# KiCad board everestCM4.kicad_pcb (continued)
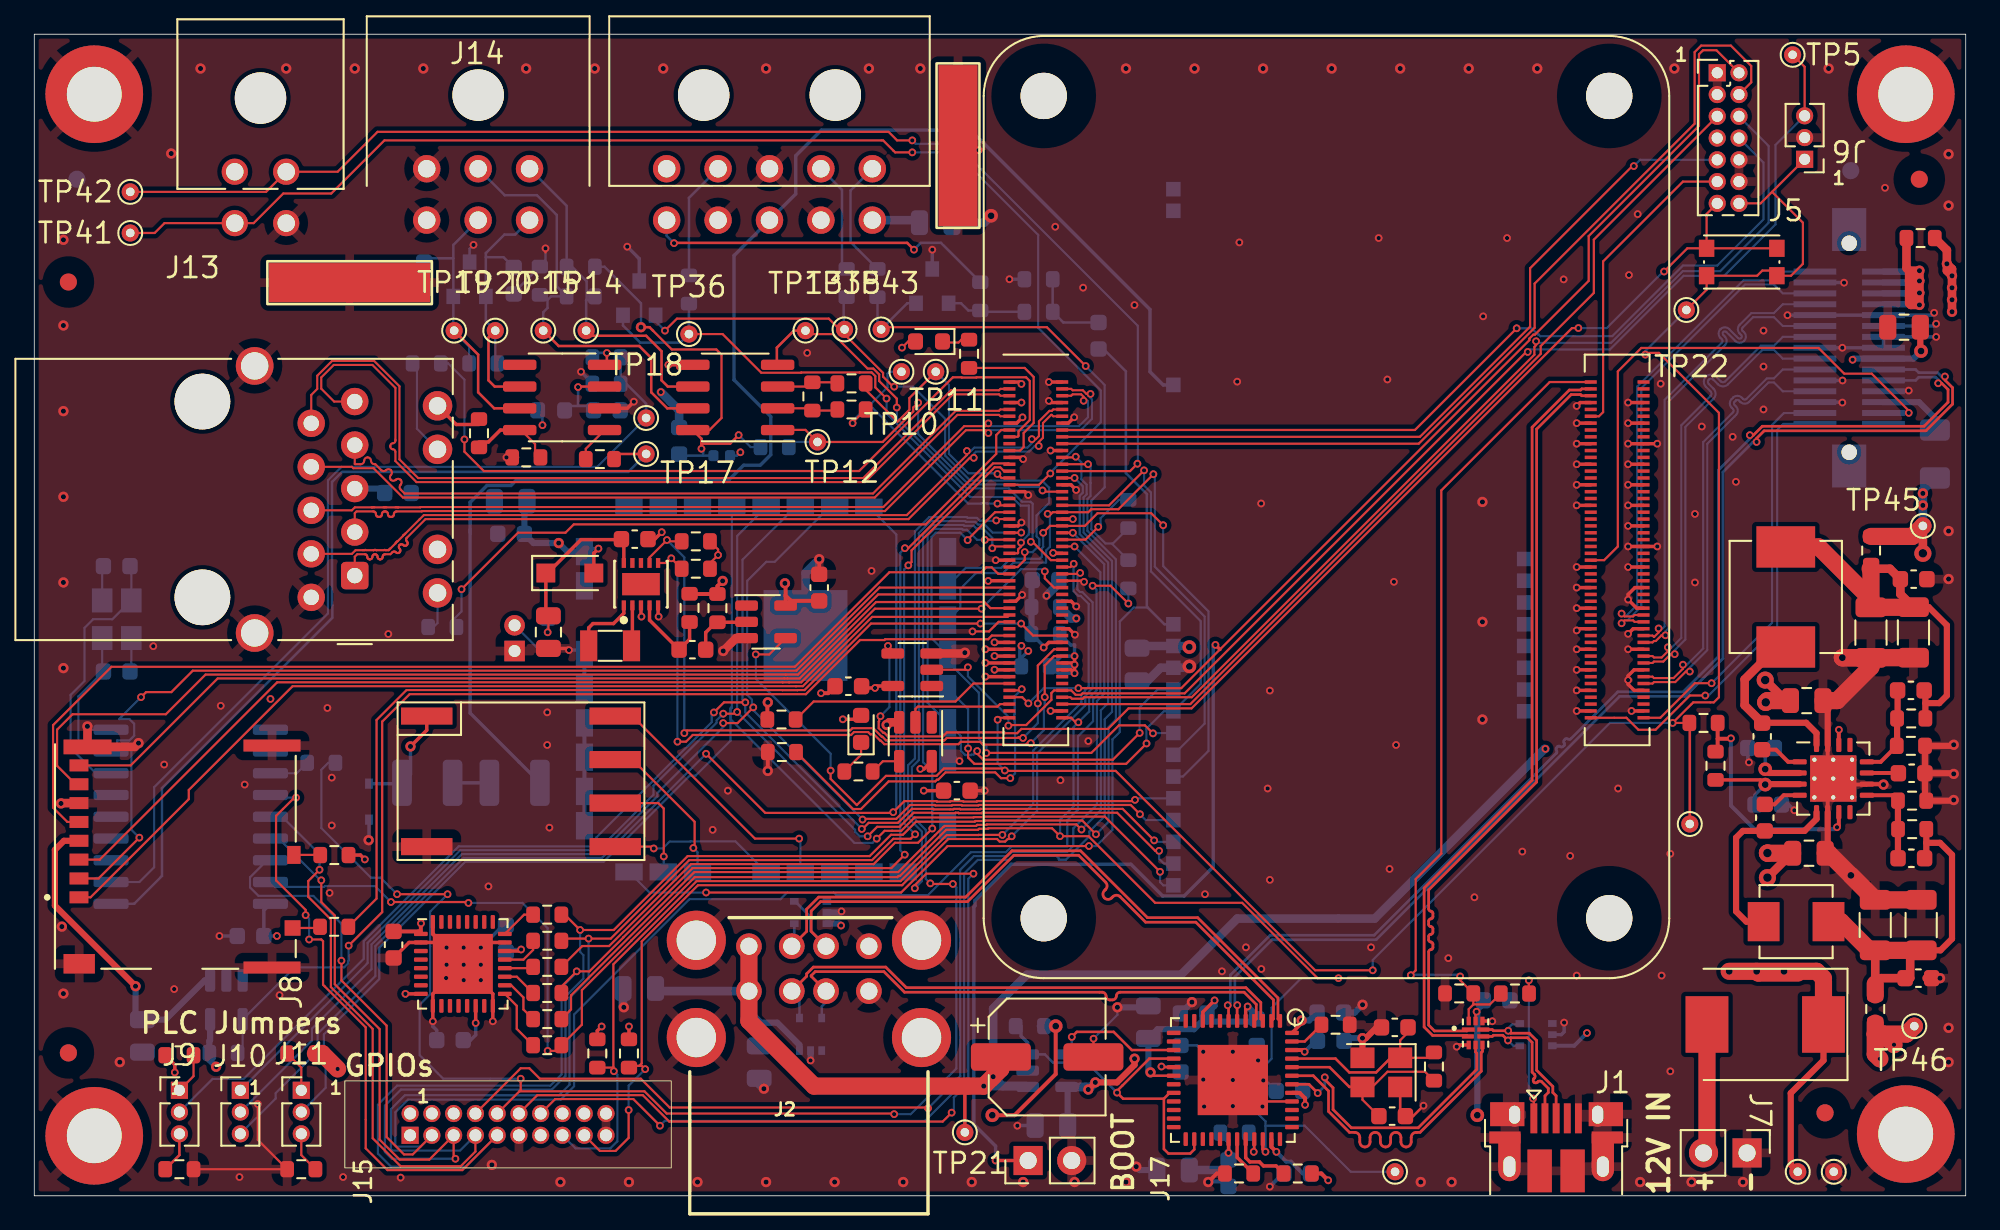
[diagram p0: board, top side]
## Routing (per net, layer and track width the routed paths; a pad name or vN(x,y) marks a point on that pad's centre or on a via; arc(x,y) is an arc through that point) (continued)
  Bottom w0.122: v1(54.82,43.08) 54.82,43.31 54.95,43.44 58.05,43.44 58.38,43.77 v1(58.61,43.77)
/CM4_GPIO ( Ethernet, GPIO, SDCARD)/TRD1_N: length 50.5
  Top w0.122: U6.6 18.53,40.01 18.71,40.18 19.68,40.18 19.76,40.18 19.81,40.2 19.85,40.18 20.37,40.18 20.42,40.2 20.46,40.18 20.46,40.18 20.51,40.2 20.55,40.18 21.07,40.18 21.12,40.2 21.16,40.18 21.17,40.18 21.24,40.18 21.24,40.18 22.52,40.18 22.53,40.2 49.54,40.2 54.26,44.92 55.51,44.92 v1(55.67,45.09) ; v1(61.23,46.41) 61.23,46.64 61.09,46.78 60.59,46.78 60.51,46.7 Module2.6
  Bottom w0.122: v1(61.23,46.41) 61.46,46.41 61.48,46.39 61.48,45.45 60.96,44.92 55.83,44.92 v1(55.67,45.09)
/CM4_GPIO ( Ethernet, GPIO, SDCARD)/TRD1_P: length 50.5
  Top w0.122: Module2.4 60.51,47.1 60.59,47.02 61.18,47.02 61.4,46.8 v1(61.63,46.8) ; U6.7 18.7,39.84 18.8,39.95 19.78,39.95 19.81,39.95 19.87,39.92 19.91,39.88 19.94,39.82 19.94,39.75 19.96,39.7 20.01,39.65 20.07,39.63 20.1,39.63 20.13,39.63 20.16,39.63 20.22,39.65 20.26,39.7 20.29,39.75 20.29,39.82 20.31,39.88 20.36,39.92 20.42,39.95 20.45,39.95 20.48,39.95 20.51,39.95 20.57,39.92 20.61,39.88 20.64,39.82 20.64,39.75 20.66,39.7 20.71,39.65 20.77,39.63 20.8,39.63 20.83,39.63 20.86,39.63 20.92,39.65 20.96,39.7 20.99,39.75 20.99,39.82 21.01,39.88 21.06,39.92 21.12,39.95 21.15,39.95 22.61,39.95 22.63,39.97 49.64,39.97 54.36,44.69 55.51,44.69 v1(55.67,44.52)
  Bottom w0.122: v1(55.67,44.52) 55.83,44.69 61.05,44.69 61.72,45.35 61.72,46.48 61.63,46.57 v1(61.63,46.8)
/CM4_GPIO ( Ethernet, GPIO, SDCARD)/TRD2_N: length 43.4
  Top w0.122: Module2.9 56.37,45.9 56.29,45.82 53.77,45.82 48.94,40.99 21.61,40.99 21.38,41.23 arc(21.32,41.37) 21.38,41.51 arc(21.43,41.65) 21.38,41.79 arc(21.23,41.85) 21.09,41.79 arc(20.95,41.73) 20.81,41.79 arc(20.75,41.93) 20.81,42.07 arc(20.87,42.22) 20.81,42.36 arc(20.67,42.42) 20.53,42.36 arc(20.39,42.3) 20.24,42.36 19.9,42.7 19.85,42.7 arc(19.71,42.76) 19.65,42.9 arc(19.59,43.04) 19.45,43.1 arc(19.31,43.04) 19.25,42.9 arc(19.19,42.76) 19.05,42.7 18.71,42.7 18.7,42.72 U6.3
/CM4_GPIO ( Ethernet, GPIO, SDCARD)/TRD2_P: length 43.5
  Top w0.122: Module2.11 56.37,45.5 56.29,45.58 53.86,45.58 49.04,40.76 21.51,40.76 19.8,42.47 18.62,42.47 18.53,42.55 U6.4
/CM4_GPIO ( Ethernet, GPIO, SDCARD)/TRD3_N: length 51.2
  Top w0.122: Module2.5 56.37,46.7 56.29,46.78 53.59,46.78 48.47,41.66 22.3,41.66 21.07,42.89 21.07,43.43 arc(21.03,43.53) 20.92,43.58 arc(20.82,43.62) 20.78,43.72 20.78,43.78 arc(20.82,43.88) 20.92,43.93 arc(21.03,43.97) 21.07,44.07 21.07,47.16 19.73,48.5 17.48,48.5 16.75,47.77 16.75,47.11 17.5,46.36 U6.1
/CM4_GPIO ( Ethernet, GPIO, SDCARD)/TRD3_P: length 51.2
  Top w0.122: Module2.3 56.37,47.1 56.29,47.02 53.5,47.02 48.37,41.89 22.4,41.89 21.31,42.98 21.31,47.25 19.83,48.73 17.38,48.73 16.51,47.86 16.51,47.09 16.16,46.74 U6.2
/CM4_GPIO ( Ethernet, GPIO, SDCARD)/TV_OUT: length 18.2
  Top w0.127: J5.11 96.2,59.2 91.54,54.54 91.54,45.74 91.3,45.5 Module2.111
/CM4_GPIO ( Ethernet, GPIO, SDCARD)/WL_nDis: length 13.3
  Top w0.127: Module2.89 54.8,29.9 53.75,28.85 45.48,28.85 44.42,27.8
/CM4_HighSpeed/HDMI0_CK_N: length 25.5
  Top w0.122: v1(96.6,30.6) 96.37,30.6 95.75,29.98 94.51,29.98 94.43,29.9 Module2.190
  Bottom w0.122: J4.23 102.02,46.96 101.51,47.48 101.2,47.48 100.06,46.34 arc(99.81,46.23) 99.55,46.34 99.47,46.42 arc(99.38,46.46) 99.29,46.42 99.21,46.34 arc(99.17,46.25) 99.21,46.17 99.29,46.08 arc(99.4,45.83) 99.29,45.57 97.62,43.9 97.62,31.85 96.6,30.83 v1(96.6,30.6)
/CM4_HighSpeed/HDMI0_CK_P: length 25.5
  Top w0.122: Module2.188 94.43,30.3 94.51,30.22 95.65,30.22 96.2,30.77 v1(96.2,31)
  Bottom w0.122: J4.19 102.02,48.23 101.51,47.71 101.1,47.71 99.89,46.51 arc(99.81,46.47) 99.72,46.51 99.63,46.59 arc(99.38,46.7) 99.12,46.59 99.04,46.51 arc(98.94,46.25) 99.04,46 99.13,45.91 arc(99.16,45.83) 99.13,45.74 97.38,43.99 97.38,31.95 96.43,31 v1(96.2,31)
/CM4_HighSpeed/HDMI0_D0_N: length 26.7
  Top w0.122: v1(95.72,31.62) 95.49,31.62 95.05,31.18 94.51,31.18 94.43,31.1 Module2.184
  Bottom w0.122: v1(95.72,31.62) 95.72,31.85 96.34,32.47 96.34,44.88 97.98,46.52 arc(98.1,46.82) 97.98,47.11 97.71,47.39 arc(97.65,47.52) 97.71,47.64 arc(97.84,47.7) 97.96,47.64 98.24,47.37 arc(98.54,47.25) 98.83,47.37 100.84,49.38 101.51,49.38 102.02,48.86 103.9,48.86
/CM4_HighSpeed/HDMI0_D0_P: length 26.7
  Top w0.122: v1(95.32,32.01) 95.32,31.78 94.96,31.42 94.51,31.42 94.43,31.5 Module2.182
  Bottom w0.122: J4.13 102.02,50.13 101.51,49.62 100.75,49.62 98.66,47.54 arc(98.54,47.48) 98.41,47.54 98.13,47.81 arc(97.84,47.93) 97.54,47.81 arc(97.42,47.52) 97.54,47.22 97.82,46.94 arc(97.87,46.82) 97.82,46.69 96.1,44.97 96.1,32.56 95.55,32.01 v1(95.32,32.01)
/CM4_HighSpeed/HDMI0_D1_N: length 27.8
  Top w0.122: v1(95.18,32.72) 94.95,32.72 94.61,32.38 94.51,32.38 94.43,32.3 Module2.178
  Bottom w0.122: v1(95.18,32.72) 95.18,32.95 95.37,33.14 95.37,46.37 98.05,49.05 98.64,49.64 arc(98.75,49.9) 98.64,50.15 98.55,50.24 arc(98.52,50.33) 98.55,50.42 arc(98.64,50.46) 98.73,50.42 99.26,49.9 arc(99.51,49.79) 99.77,49.9 arc(99.87,50.15) 99.77,50.41 99.68,50.5 arc(99.64,50.59) 99.68,50.67 100.29,51.29 101.51,51.29 102.02,50.77 J4.11
/CM4_HighSpeed/HDMI0_D1_P: length 27.8
  Top w0.122: v1(94.78,33.11) 94.78,32.88 94.52,32.62 94.51,32.62 94.43,32.7 Module2.176
  Bottom w0.122: J4.7 102.02,52.04 101.51,51.52 100.19,51.52 99.51,50.84 arc(99.4,50.59) 99.51,50.33 99.6,50.24 arc(99.64,50.15) 99.6,50.06 arc(99.51,50.03) 99.42,50.06 98.9,50.59 arc(98.64,50.69) 98.39,50.59 arc(98.28,50.33) 98.39,50.08 98.48,49.99 arc(98.51,49.9) 98.48,49.81 95.13,46.46 95.13,33.23 95.01,33.11 v1(94.78,33.11)
/CM4_HighSpeed/HDMI0_D2_N: length 28.5
  Top w0.122: Module2.172 93.37,33.5 93.29,33.58 92.78,33.58 v1(92.62,33.42)
  Bottom w0.122: J4.5 102.02,52.67 101.51,53.19 99.82,53.19 93.77,47.14 93.77,34.4 92.95,33.58 92.78,33.58 v1(92.62,33.42)
/CM4_HighSpeed/HDMI0_D2_P: length 28.5
  Top w0.122: Module2.170 93.37,33.9 93.29,33.82 92.78,33.82 v1(92.62,33.98)
  Bottom w0.122: v1(92.62,33.98) 92.78,33.82 92.86,33.82 93.53,34.49 93.53,47.23 99.73,53.43 101.51,53.43 102.02,53.95 J4.1
/CM4_HighSpeed/HDMI0_HOTPLUG: length 32.8
  Top w0.127: Module2.153 91.6,37.1 92.4,37.9 92.4,48.12 93.77,49.49 104.11,49.49 105.61,47.99 107.21,47.99 109.38,45.82 v1(109.38,45.7)
  Bottom w0.127: J4.28 109.37,45.69 v1(109.38,45.7)
/CM4_HighSpeed/HDMI0_SCL: length 24.1
  Top w0.127: v1(97.87,29.92) 96.9,29.92 94.88,27.9 Module2.200
  Bottom w0.127: J4.27 102.09,45.69 101.4,45 101.4,33.45 v1(97.87,29.92)
/CM4_HighSpeed/HDMI0_SDA: length 27.5
  Top w0.127: v1(97.5,29.2) 96.6,29.2 94.6,27.2 93.6,27.2 92.9,27.9 Module2.199
  Bottom w0.127: v1(97.5,29.2) 97.7,29.2 101.7,33.2 101.7,44.7 102.05,45.05 J4.29
/CM4_HighSpeed/HDMI_5v: length 4.1
  Bottom w0.36: J4.26 109.98,46.33 110.9,45.4 F2.1
/CM4_HighSpeed/USB2_N: length 44.7
  Top w0.158: Module2.103 90.29,47.1 90.23,47.03 89.57,47.03 87.4,44.86 87.4,24.26 81.1,17.96 81.1,9.85 81.59,9.36 83.59,9.36 U12.2
/CM4_HighSpeed/USB2_P: length 44.8
  Top w0.158: Module2.105 90.29,46.7 90.23,46.77 89.68,46.77 87.66,44.75 87.66,24.15 81.36,17.85 81.36,16.74 arc(81.4,16.65) 81.49,16.61 arc(81.57,16.58) 81.61,16.49 81.61,16.29 arc(81.57,16.2) 81.49,16.16 arc(81.4,16.13) 81.36,16.04 81.36,15.84 arc(81.4,15.75) 81.49,15.71 arc(81.57,15.68) 81.61,15.59 81.61,15.39 arc(81.57,15.3) 81.49,15.26 arc(81.4,15.23) 81.36,15.14 81.36,14.94 arc(81.4,14.85) 81.49,14.81 arc(81.57,14.78) 81.61,14.69 81.61,14.49 arc(81.57,14.4) 81.49,14.36 arc(81.4,14.33) 81.36,14.24 81.36,9.96 81.7,9.62 83.59,9.62 U12.1
/CM4_HighSpeed/USBOTG_ID: length 48.2
  Top w0.127: v1(80.32,12.87) 80.6,13.16 80.6,18.48 82.1,19.97 82.1,41.17 88.42,47.5 Module2.101 ; 83.98,11.17 83.97,11.18 R3.1 83.2,12.58 v1(83.2,12.8) ; 83.98,11.17 83.7,10.89 U12.10 ; 83.98,11.17 84.94,11.17 R4.2
  Bottom w0.127: v1(83.2,12.8) 83.1,12.9 80.35,12.9 v1(80.32,12.87)
/External Connectors/CAN_H: length 18.1
  Top w0.147: TP19.1 25.9,49.1 25.9,46.9 26.84,45.97 U22.7
  Bottom w0.127: R58.1 25.37,49.56 24.5,50.43 TP19.1
  Bottom w0.147: C59.2 22.97,54.72 24.45,54.72 ; 24.45,54.72 24.45,55.5 J14.2 ; 24.45,54.72 D8.2 24.45,50.55 TP19.1
/External Connectors/CAN_L: length 17
  Top w0.147: U22.6 26.87,47.23 26.5,47.6 26.5,50.1 TP20.1
  Bottom w0.127: R58.2 26.9,48.71 TP20.1
  Bottom w0.147: 26.35,54.78 27.38,54.78 C60.2 ; 26.35,54.78 D8.1 26.35,51.05 TP20.1 ; 26.35,54.78 26.35,55.02 27.43,56.1 28.06,56.1 J14.1
/External Connectors/CAN_RX: length 54.1
  Bottom w0.127: TP18.1 32.85,42.55 17.92,42.55 17.14,41.76 17.14,33.99 6.99,23.85 6.99,19.18 6.13,18.31 U17.2
  Bottom w0.147: TP18.1 35.7,46.23 34.53,47.4 R54.1 R55.1
/External Connectors/CAN_TX: length 51.8
  Top w0.147: TP17.1 34.13,43.3 R53.1
  Bottom w0.147: TP17.1 34.65,42.25 17.96,42.25 17.37,41.67 17.37,34.48 17.39,34.46 17.39,33.74 7.45,23.8 7.45,18.67 5.83,17.04 U17.1
/External Connectors/RS485_A: length 20
  Top w0.147: 38.42,47.23 36.97,47.23 36.6,47.6 36.6,49.3 35.7,50.2 32.5,50.2 TP14.1
  Bottom w0.127: R50.1 32.49,52.27 32.2,52.27
  Bottom w0.147: J14.4 31.06,57.79 31.06,54.54 32.23,53.37 32.23,52.3 32.2,52.27 TP14.1
/External Connectors/RS485_B: length 26.1
  Top w0.147: 38.42,45.97 36.94,45.97 36,46.9 36,48.9 35.3,49.6 30.6,49.6 TP15.1
  Bottom w0.147: 29.95,52.29 29.95,51.82 29.7,51.57 TP15.1 ; 29.95,52.29 30.16,52.5 R50.2 30.49,53.07 30.49,57.25 29.33,58.4 27.45,58.4 J14.5 ; 29.95,52.29 29.65,52.59 R51.1
/GLOBAL_EN: length 131.6
  Top w0.127: 101.4,58.6 103.2,56.8 103.2,54.4 102.51,53.7 SW1.1 101.38,54 100.83,54 100.53,53.7 SW1.1 97.58,52.88 TP22.1 ; 101.4,58.6 J6.1 ; 101.4,58.6 100.73,57.93 J5.14 ; v1(94,49.1) 94.1,49.2 94.8,49.2 98.3,45.7 98.3,29.1 98,28.8 96.8,28.8 v1(95.6,27.6) R40.1 ; v1(46.47,24.81) 46.47,24.33 47.99,22.81 49.7,24.51 52.65,24.51 53.08,24.94 56.52,24.94 v1(56.63,24.82) 56.66,24.8 63.1,24.8 74.74,13.16 v1(78.1,13.16) ; v1(42.1,31.6) 42.89,31.6 U7.4 ; v1(56.21,27.79) 56.33,27.9 Module2.99
  Top w0.147: R40.1 96.6,27.58 TP4.1
  Bottom w0.127: v1(78.1,13.16) 78.1,13.76 91.94,27.6 v1(95.6,27.6) ; v1(46.47,24.81) 46.47,25.81 42.1,30.17 v1(42.1,31.6) ; v1(56.21,27.79) 56.21,25.25 v1(56.63,24.82) ; v1(94,49.1) 94,49.3 TP22.1
/Hi-Lo Level Connector/ZC: length 4.6
  Bottom w0.147: R30.1 55.28,51.6 R41.2 54.5,51.67 54.08,52.1 D5.1
/nEXTRST: length 124.2
  Top w0.127: v1(29.96,8.46) 30.43,8.46 R45.1 31.95,9.98 31.95,12 34.83,14.88 34.83,14.89 38.54,18.6 50.37,18.6 50.44,18.67 50.52,18.67 53.21,21.36 55.07,21.36 55.13,21.42 55.65,21.42 55.68,21.45 59.39,21.45 v1(59.85,20.99) 61.51,20.99 65.4,17.1 70.48,17.1 74.88,12.7 v1(76.1,12.7) ; v1(20.81,17.14) 25.28,17.14 v1(25.33,17.09) ; v1(61.75,35.61) 62.8,35.61 v1(63.84,34.57) ; 60.5,27.9 60.76,27.64 v1(60.92,27.64)
  Top w0.147: Module2.100 60.5,27.9
  Top w0.2: v1(71.84,2.56) 71.69,2.72 U2.34
  Bottom w0.127: TP23.1 76.81,1.4 74.13,4.09 71.84,4.09 ; v1(20.81,17.14) 19.88,18.08 16.96,18.08 16.91,18.03 14.06,18.03 U17.17 ; v1(59.85,20.99) 59.85,21.94 60.64,22.73 60.64,27.35 v1(60.92,27.64) 61.55,28.27 61.55,29.07 61.98,29.5 61.98,35.38 v1(61.75,35.61) ; 71.84,4.09 v1(71.84,2.56) ; 71.84,4.09 71.84,4.34 71.08,5.1 71.08,6.88 72.2,8 72.2,10.97 73.93,12.7 v1(76.1,12.7) ; v1(29.96,8.46) 29.96,15.62 28.48,17.09 v1(25.33,17.09) ; R2.2 v1(63.84,34.57)
/PLC Modem/CP: length 87.7
  Bottom w0.2: U15.15 65.87,47.33 65.1,48.1 65.1,51.73 54.63,62.2 45.93,62.2 44.43,60.7 44.43,58.48 J3.3 40.83,54.88 40.83,47.63 42.97,45.48 42.97,43.26 42.36,42.65 41.39,42.65 40.55,41.8 28.16,41.8 27.81,41.46 26.41,41.46 25.43,40.48 25.43,38.69 ; C28.1 25.43,28.18 25.43,38.91
/PLC Modem/GPIO_0: length 83
  Top w0.127: v1(49.16,20.84) 49.62,21.3 50.06,21.3 50.06,21.3 50.59,21.3 51.37,22.08 54.8,22.08 54.82,22.1 55.37,22.1 55.4,22.13 62.47,22.13 v1(65.69,18.91)
  Bottom w0.127: 40.7,28.53 40.7,28.48 40.62,28.4 40.62,26.56 38.58,24.52 38.24,24.52 33.22,19.49 25.14,19.49 20.13,14.48 20.13,12.65 16.9,9.42 16.9,7.9 17,7.8 17,6.31 15.58,4.88 ; 40.7,28.53 40.62,28.46 40.62,27.83 47.86,20.59 48.91,20.59 v1(49.16,20.84) ; 40.7,28.53 U14.12 ; U15.1 65.88,18.12 65.69,18.31 v1(65.69,18.91)
/PLC Modem/GPIO_1: length 82.6
  Top w0.127: v1(40.2,28.14) 40.91,28.14 v1(41.01,28.24) ; v1(48.63,20.98) 49.18,21.54 50.49,21.54 51.31,22.36 52.36,22.36 52.39,22.33 53.72,22.33 53.75,22.36 53.91,22.36 53.94,22.33 55.27,22.33 55.3,22.36 63.18,22.36 65.41,20.13 v1(65.63,20.13)
  Bottom w0.127: U14.13 41.01,38.51 v1(41.01,28.24) 47.9,21.36 47.9,21.25 48.16,20.98 v1(48.63,20.98) ; v1(40.2,28.14) 40.2,28 40.18,27.98 40.04,27.98 39.81,27.75 39.81,27.61 36.13,23.93 36.13,23.41 32.89,20.17 24.86,20.17 19.45,14.76 19.45,13.58 J10.1 ; v1(65.63,20.13) 65.63,19.67 65.91,19.39 U15.2
/PLC Modem/GPIO_2: length 86.8
  Top w0.127: v1(65.34,20.74) 63.51,22.58 55.21,22.58 55.18,22.55 54.03,22.55 54.01,22.58 53.66,22.58 53.63,22.55 52.48,22.55 52.46,22.58 51.21,22.58 50.39,21.77 48.69,21.77 48.33,21.41 v1(48.28,21.41) ; v1(39.66,28.21) 40.24,28.8 v1(41.49,28.8)
  Bottom w0.127: v1(48.28,21.41) 48.28,21.42 41.49,28.21 v1(41.49,28.8) 41.33,28.96 41.33,37.13 44.4,40.2 U14.14 ; v1(65.34,20.74) 65.43,20.66 U15.3 ; 8.47,4.88 10.4,6.82 12.21,6.82 19.22,13.83 19.22,14.86 24.77,20.4 32.8,20.4 32.8,20.92 39.53,27.65 39.53,28.09 v1(39.66,28.21)
/PLC Modem/GPIO_3: length 83.7
  Top w0.127: v1(40.2,27.59) 41.04,27.59 v1(41.95,28.51) ; v1(64.52,22.27) 63.98,22.81 55.12,22.81 55.09,22.78 54.13,22.78 54.1,22.81 53.57,22.81 53.54,22.78 52.58,22.78 52.55,22.81 51.11,22.81 50.3,22 48.37,22 v1(48.33,21.96)
  Bottom w0.127: U15.4 64.86,21.93 v1(64.52,22.27) ; v1(48.33,21.96) 48.33,21.97 41.95,28.35 v1(41.95,28.51) 41.85,28.61 41.88,28.64 41.88,28.96 41.6,29.24 41.6,35.9 42.71,37 43.2,37 46.4,40.2 U14.15 ; v1(40.2,27.59) 40.2,27.35 36.36,23.51 36.36,23.32 32.98,19.94 24.95,19.94 19.68,14.67 19.68,13.23 16.2,9.76 16.2,9.06 12.02,4.88
/PLC Modem/NRESET: length 85.8
  Top w0.127: v1(64.23,23.11) 64.15,23.04 55.02,23.04 54.99,23.01 54.22,23.01 54.19,23.04 53.47,23.04 53.44,23.01 52.67,23.01 52.64,23.04 50.77,23.04 v1(50.12,22.39) 50.08,22.35 42.65,22.35 v1(39.2,25.8)
  Bottom w0.127: U15.5 64.32,23.2 v1(64.23,23.11) ; J10.3 14.09,5.68 14.09,5.99 16.53,8.43 16.53,9.45 19.9,12.82 19.9,14.57 25.05,19.72 33.12,19.72 v1(39.2,25.8) ; U14.16 50.3,38.6 50.3,22.57 v1(50.12,22.39)
/PLC Modem/RXN: length 15.7
  Top w0.127: T1.8 34.9,28 42.05,20.85 v1(44.63,20.85)
  Bottom w0.127: v1(44.63,20.85) 44.7,20.78 U14.28
/PLC Modem/RXP: length 9.8
  Top w0.127: T1.5 36.04,20.38 v1(36.15,20.27)
  Bottom w0.127: v1(36.15,20.27) 36.67,20.27 37.08,20.68 38.29,20.68 38.3,20.69 40.91,20.69 U14.29
/PLC Modem/TXN: length 9.2
  Top w0.127: v1(38.46,20.3) 38.53,20.37 38.53,21.83 34.9,25.46 T1.7
  Bottom w0.127: U14.30 38.7,20.06 v1(38.46,20.3)
/PLC Modem/TXP: length 6.7
  Top w0.127: v1(36.73,19.8) 36.73,22.61 36.42,22.92 T1.6
  Bottom w0.127: v1(36.73,19.8) 36.73,18.93 U14.31
/PLC Modem/ZC_PLC: length 63
  Top w0.127: v1(39.2,17.7) 50.58,17.7 53.29,20.41 v1(61.54,20.41)
  Bottom w0.127: v1(61.54,20.41) 61.96,20.41 62.91,21.36 62.91,26.64 63.34,27.07 63.34,33.52 64.16,34.33 64.97,34.33 ; v1(39.2,17.7) 35.9,17.7 U14.32
  Bottom w0.147: 62.1,49.72 63.7,48.12 63.7,42.19 64.92,40.96 64.92,34.38 65.94,33.36 U15.13
/PLC_CS: length 31.2
  Top w0.127: v1(65.28,26.99) 64.81,27.46 63.29,27.46 61.68,25.85 55.56,25.85 v1(55.56,25.84) ; Module2.39 56.06,39.9 54.46,38.3 v1(54.46,38.27)
  Bottom w0.127: v1(65.28,26.99) 65.3,27.01 U15.8 ; v1(54.46,38.27) 54.03,38.7 52.6,38.7 52.35,38.45 52.35,32.55 U14.20 53.3,31.18 55.11,29.37 55.11,26.69 55.56,26.24 v1(55.56,25.84)
/PLC_INT: length 34
  Top w0.127: v1(55.47,38.29) 55.48,38.3 Module2.47 ; v1(64.5,27.02) 62.94,25.45 55.37,25.45 55.02,25.81 v1(55.02,25.96)
  Bottom w0.127: U15.10 65.55,29.55 64.5,28.5 v1(64.5,27.02) ; v1(55.02,25.96) 54.81,25.75 54.68,25.75 54.65,25.72 54.33,25.72 54.3,25.75 54.29,25.75 54.07,25.98 54.07,26.83 U14.22 52.13,28.77 52.13,38.55 52.51,38.93 54.13,38.93 54.18,38.87 54.43,38.87 55.01,38.29 v1(55.47,38.29)
/PLC_MISO: length 36.3
  Top w0.127: v1(65.3,42.12) 65.3,42.12 63.26,40.07 61.67,40.07 61.5,39.9 Module2.40 59.42,39.9 59.33,39.8 v1(59.13,39.8)
  Bottom w0.127: v1(59.13,39.8) 59.26,39.68 59.26,37.88 59.04,37.66 59.04,36.98 59.01,36.96 57.13,36.96 56.52,36.35 54.95,36.35 54.04,35.43 54.04,34.34 U14.19 ; U15.7 68.29,27.56 68.29,33.81 65.38,36.72 65.38,42.04 v1(65.3,42.12)
/PLC_MOSI: length 32.3
  Top w0.127: v1(58.87,38.7) 59.27,39.1 Module2.44 61.3,39.1 62.04,39.84 65.17,39.84 v1(65.87,39.14)
  Bottom w0.127: U15.6 67.02,24.47 68.52,25.97 68.52,34.11 65.87,36.75 v1(65.87,39.14) ; v1(58.87,38.7) 58.87,37.87 58.79,37.8 58.79,37.3 58.67,37.18 57.04,37.18 57.02,37.16 56.93,37.16 56.42,36.65 54.35,36.65 U14.18
/PLC_SCK: length 40.1
  Top w0.127: v1(64.76,42.34) 62.71,40.3 Module2.38 ; v1(54.49,26.11) 54.49,25.58 54.85,25.21 63.71,25.21 v1(64.9,26.4)
  Bottom w0.127: v1(64.76,42.34) 64.76,41.46 65.16,41.06 65.16,36.44 68.06,33.54 68.06,29.88 U15.9 65.91,28.28 64.89,27.26 64.89,26.41 v1(64.9,26.4) ; v1(54.49,26.11) 54.49,28.41 U14.21
/POWER_RST: length 32.1
  Top w0.127: TP43.1 49.54,50.7 59.08,50.7 v1(61.35,48.43)
  Bottom w0.127: v1(61.35,48.43) 62.46,47.33 62.46,41.35 61.68,40.58 61.68,38.9 62.51,38.08 62.9,38.08 ; 62.9,38.08 62.9,38.04 R2.1 ; 62.9,38.08 62.94,38.08 R1.2
  Bottom w0.147: R42.2 49.2,50.78 TP43.1 50.94,52.1 D5.2
/POWER_RX: length 35.3
  Top w0.127: v1(49.73,46.53) 49.07,47.19 49.07,47.85 48.86,48.06 48.16,48.06 44.76,48.06 44.74,48.04 42.42,48.04 40.16,50.3 TP36.1 ; Module2.51 57.38,37.5 57.41,37.53 57.41,37.73 57.58,37.9 v1(57.58,38.12)
  Bottom w0.127: v1(49.73,46.53) 49.73,45.67 54.61,40.79 57.04,40.79 57.55,40.29 58.03,40.29 58.03,38.6 57.58,38.15 v1(57.58,38.12)
  Bottom w0.147: D6.2 34.35,50.8 35.35,49.8 37.7,49.8 TP36.1 R44.2
/POWER_TX: length 37.5
  Top w0.127: v1(50.18,47.23) 50.11,47.23 49.53,47.81 49.53,48.03 46.36,51.2 37.5,51.2 v1(36.8,50.5) ; Module2.55 57.38,36.7 57.79,37.12 v1(57.79,37.57)
  Bottom w0.127: v1(57.79,37.57) 58.25,37.57 58.64,37.96 58.64,38.34 58.48,38.49 58.48,39.71 59.22,40.44 59.22,41.33 58.8,41.75 54.61,41.75 53.15,43.21 53.15,45.35 51.27,47.23 v1(50.18,47.23) ; D6.1 36.25,51.05 v1(36.8,50.5)
  Bottom w0.147: TP35.1 47.23,50.62 47.23,52.28 R43.2
/RFID_RX: length 77.6
  Top w0.127: Module2.28 63.94,42.3 v1(64.37,42.73) ; v1(51.23,61.6) 50.34,61.6 49.84,62.1 20.03,62.1 17.7,59.77 J13.2 13.53,58.6 TP42.1
  Bottom w0.127: v1(51.23,61.6) 51.43,61.4 53.77,61.4 64.39,50.78 64.39,42.76 v1(64.37,42.73)
/RFID_TX: length 76.8
  Top w0.127: Module2.31 58.62,41.5 v1(59.29,42.16) ; v1(51.23,60.9) 50.23,60.9 49.53,61.6 20.43,61.6 17.33,58.5 14.53,58.5 12.8,56.77 J13.3 7.6,56.77 7.03,56.2 TP41.1
  Bottom w0.127: v1(51.23,60.9) 53.76,60.9 58.58,56.08 58.58,50.65 62.23,47 62.23,45.15 59.29,42.2 v1(59.29,42.16)
/RS485_DE: length 16.1
  Top w0.127: Module2.29 56.43,41.9 v1(56.2,42.13) ; R47.2 48.51,47.04 50.37,45.19 51.06,45.88 51.06,46.56 TP11.1
  Bottom w0.127: v1(56.2,42.13) 56.16,42.17 54.51,42.17 53.37,43.31 53.37,47.33 TP11.1
/RS485_RE: length 16.5
  Top w0.127: Module2.37 56.3,40.3 v1(56.2,40.4) ; v1(47.75,45.1) 47.75,45.14 R46.2
  Bottom w0.127: 48.51,45.99 47.75,45.22 v1(47.75,45.1) ; 48.51,45.99 48.58,45.99 49.79,47.2 49.79,47.99 49.89,48.1 TP10.1 ; 48.51,45.99 48.91,45.99 54.5,40.4 55.24,40.4 55.26,40.42 55.59,40.42 55.61,40.4 v1(56.2,40.4)
/RS485_RX: length 23
  Top w0.127: v1(51.57,46.3) 51.29,46.01 51.29,45.78 49.5,44 TP12.1 45,44.7 43.39,44.7 U21.1 ; Module2.34 58.9,41.1 v1(58.83,41.17)
  Bottom w0.127: v1(51.57,46.3) 51.57,44.47 54.52,41.52 57.37,41.52 57.52,41.37 58.63,41.37 v1(58.83,41.17) ; R48.2 44.33,44 TP12.1
/RS485_TX: length 26
  Top w0.127: TP13.1 45.2,50.3 46.62,50.3 48.63,48.29 48.95,48.29 49.3,47.94 49.3,47.56 50.33,46.53 v1(50.33,46.01) ; Module2.54 59.32,37.1 58.24,38.17 v1(58.15,38.17)
  Top w0.147: U21.4 43.33,48.55 43.33,49.5 44.33,50.5 TP13.1
  Bottom w0.127: v1(58.15,38.17) 58.26,38.28 58.26,40.39 58.14,40.51 57.64,40.51 56.86,41.29 54.42,41.29 50.33,45.39 v1(50.33,46.01)
/RTC , Wakeup, FAN/nRTC_INT: length 5.2
  Top w0.2: U5.4 35.9,33.6 C20.2 38.24,32.49 R12.1
/USB2-HUB/HD1_N: length 37.8
  Top w0.158: U2.1 72.57,10.32 72.57,11.55 67.88,16.23 64.95,16.23 61.05,20.14 57.05,20.14 54.35,17.43 45.77,17.43 45.07,16.73 45.07,15.43 J2.2
  Bottom w0.158: J2.2 44.35,14.71 U1.4
/USB2-HUB/HD1_P: length 39.8
  Top w0.158: U2.2 72.3,10.32 72.3,11.44 67.78,15.97 64.85,15.97 63.36,17.45 arc(63.15,17.54) 62.93,17.45 62.87,17.39 arc(62.66,17.3) 62.44,17.39 arc(62.36,17.6) 62.44,17.81 62.51,17.88 arc(62.6,18.09) 62.51,18.3 60.94,19.87 57.16,19.87 54.45,17.17 45.88,17.17 45.33,16.62 45.33,15.43 J2.3
  Bottom w0.158: J2.3 45.3,15.47 45.3,16.28 44.39,17.18 U1.5
/USB2-HUB/HD2_N: length 31.8
  Top w0.158: U2.3 71.57,10.32 71.57,11.28 70.7,12.14 50.89,12.14 49.68,13.35 45.46,13.35 45.07,12.95 45.07,12.81 J2.6
  Bottom w0.147: J2.6 44.65,11.5 U16.4
/USB2-HUB/HD2_P: length 31.3
  Top w0.158: J2.7 45.33,12.81 45.33,12.85 45.57,13.08 49.58,13.08 50.78,11.88 62.31,11.88 arc(62.47,11.81) 62.54,11.66 arc(62.6,11.5) 62.76,11.43 62.91,11.43 arc(63.07,11.5) 63.14,11.66 arc(63.2,11.81) 63.36,11.88 70.59,11.88 71.3,11.17 71.3,10.32 U2.4
  Bottom w0.147: J2.7 46.2,11.3 45.95,11.05 U16.5
/USB2-HUB/HD3_N: length 70.4
  Top w0.158: v1(100.5,44) 100.5,44.21 100.94,44.65 110.37,44.65 111.93,46.21 111.93,47.17 111.49,47.62 v1(111.49,47.82) ; U2.6 70.19,11.12 v1(70.19,11.12)
  Bottom w0.158: v1(111.49,47.82) 111.28,47.82 111.06,48.04 109.96,48.04 109.78,48.23 J4.20 ; v1(100.5,44) 100.29,44 98.53,42.25 98.53,31.36 96.32,29.15 92.5,29.15 78.29,14.94 72.22,14.94 70.05,12.77 70.05,11.27 v1(70.19,11.12)
/USB2-HUB/HD3_P: length 70.5
  Top w0.158: v1(69.64,11.12) 69.69,11.07 U2.7 ; v1(111.09,47.43) 111.3,47.43 111.67,47.06 111.67,46.32 110.27,44.92 100.83,44.92 100.31,44.4 v1(100.1,44.4)
  Bottom w0.158: v1(111.09,47.43) 111.09,47.63 110.95,47.78 109.96,47.78 109.78,47.59 J4.22 ; v1(69.64,11.12) 69.79,11.27 69.79,12.88 72.12,15.21 78.19,15.21 88.75,25.77 88.82,25.84 arc(88.85,25.92) 88.82,25.99 arc(88.79,26.07) 88.82,26.15 88.89,26.22 arc(88.97,26.25) 89.04,26.22 arc(89.12,26.19) 89.2,26.22 89.27,26.29 arc(89.3,26.36) 89.27,26.44 arc(89.23,26.51) 89.27,26.59 89.34,26.66 arc(89.41,26.69) 89.49,26.66 arc(89.56,26.63) 89.64,26.66 92.4,29.42 96.22,29.42 98.27,31.47 98.27,42.35 100.1,44.19 v1(100.1,44.4)
/USB2-HUB/nOCS1: length 21.3
  Top w0.147: 65.91,5.67 63.53,5.67 v1(63.18,6.02) 63.18,6.12 65.06,8 U2.16 ; 65.91,5.67 66.25,6 U2.20 ; 65.91,5.67 65.91,2.73 66.18,2.46 67.45,2.46 67.69,2.7 U2.26
  Bottom w0.147: v1(63.18,6.02) 61.42,7.78 59.44,7.78 58.97,8.25 U4.3
  Bottom w0.2: 57.58,9.9 57.58,9.32 57.96,8.94 U4.3
/USB2-HUB/PWR1: length 7.7
  Top w0.147: U2.15 64.04,8.5 62.98,9.57 60.83,9.57 v1(60.54,9.27)
  Bottom w0.147: v1(60.54,9.27) 60.54,8.55 U4.4
/USB2-HUB/USBD_N: length 9.3
  Top w0.158: J1.2 88.15,5.83 88.34,6.03 88.34,6.27 87.96,6.66 arc(87.85,6.7) 87.74,6.66 87.72,6.63 arc(87.61,6.59) 87.51,6.63 arc(87.46,6.74) 87.51,6.84 87.53,6.87 arc(87.58,6.97) 87.53,7.08 87.4,7.22 87.4,8.95 87.13,9.22 86.15,9.22 v1(85.99,9.07) 85.69,9.37 85.14,9.37 85.08,9.3 U12.6
  Bottom w0.127: U3.4 86.3,8.75 v1(85.99,9.07)
/USB2-HUB/USBD_P: length 9.3
  Top w0.158: U12.7 85.08,9.7 85.14,9.63 v1(86,9.63) 86.15,9.49 87.23,9.49 87.66,9.06 87.66,7.32 88.61,6.38 88.61,6.03 88.8,5.83 J1.3
  Bottom w0.127: v1(86,9.63) 86,9.78 86.23,10 86.63,10 U3.5
/USB2-HUB/USBH_N: length 16.6
  Top w0.158: U12.4 84.1,8.39 84.17,8.32 84.17,7.38 80.75,3.97 76.85,3.97 75.78,5.03 75.78,6.3 75.3,6.78 v1(75.3,6.91) ; v1(74.89,5.99) 74.38,6.5 U2.42
  Bottom w0.158: v1(74.89,5.99) 75.3,6.4 v1(75.3,6.91)
/USB2-HUB/USBH_P: length 19.7
  Top w0.158: U2.43 74.63,7 75.52,6.11 75.52,4.92 76.74,3.7 77.04,3.7 arc(77.26,3.61) 77.34,3.4 77.34,3.15 arc(77.43,2.93) 77.64,2.85 arc(77.86,2.93) 77.94,3.15 77.94,3.4 arc(78.03,3.61) 78.24,3.7 arc(78.46,3.61) 78.54,3.4 78.54,3.15 arc(78.63,2.93) 78.84,2.85 arc(79.06,2.93) 79.14,3.15 79.14,3.4 arc(79.23,3.61) 79.44,3.7 arc(79.66,3.61) 79.74,3.4 79.74,3.15 arc(79.83,2.93) 80.04,2.85 arc(80.26,2.93) 80.34,3.15 80.34,3.4 arc(80.43,3.61) 80.64,3.7 80.86,3.7 84.43,7.27 84.43,8.36 84.5,8.42 U12.5
